# Altium PCB ANTS-MotherBoard-B1.PcbDoc (part 1 of 2)
Units mm, origin at the board's own origin, x right, y up, seen from the top; angles counter-clockwise.
Board outline 200 x 200 mm, 2 copper layers (Top Layer, Bottom Layer); 40 components, 104 nets, 872 pads, 222 vias.
Unrouted connection lines stored in the file: 8.
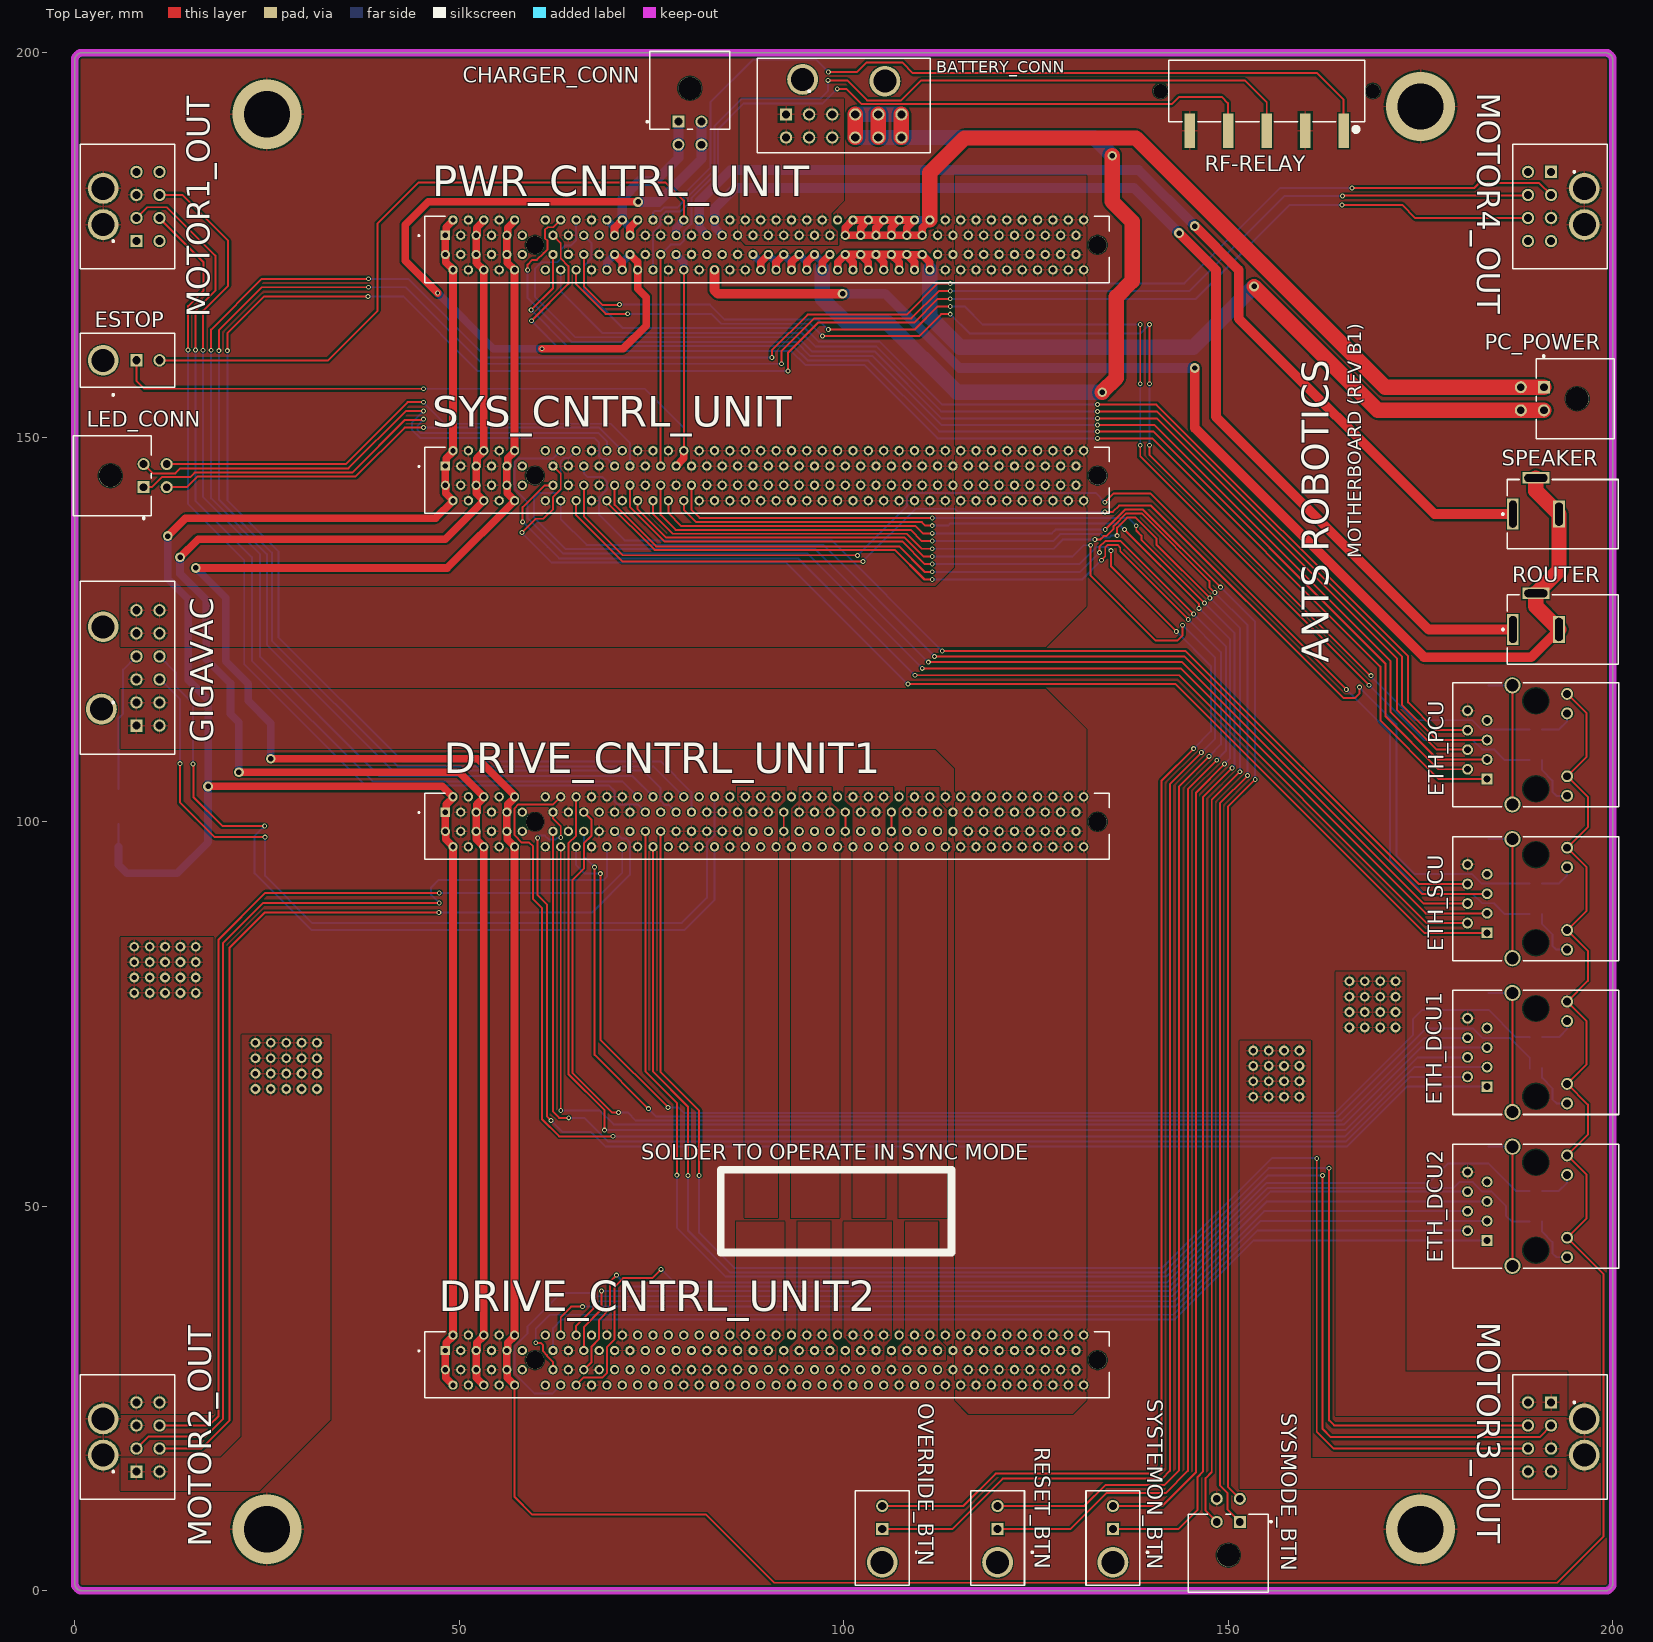
[diagram p0: Top Layer view]
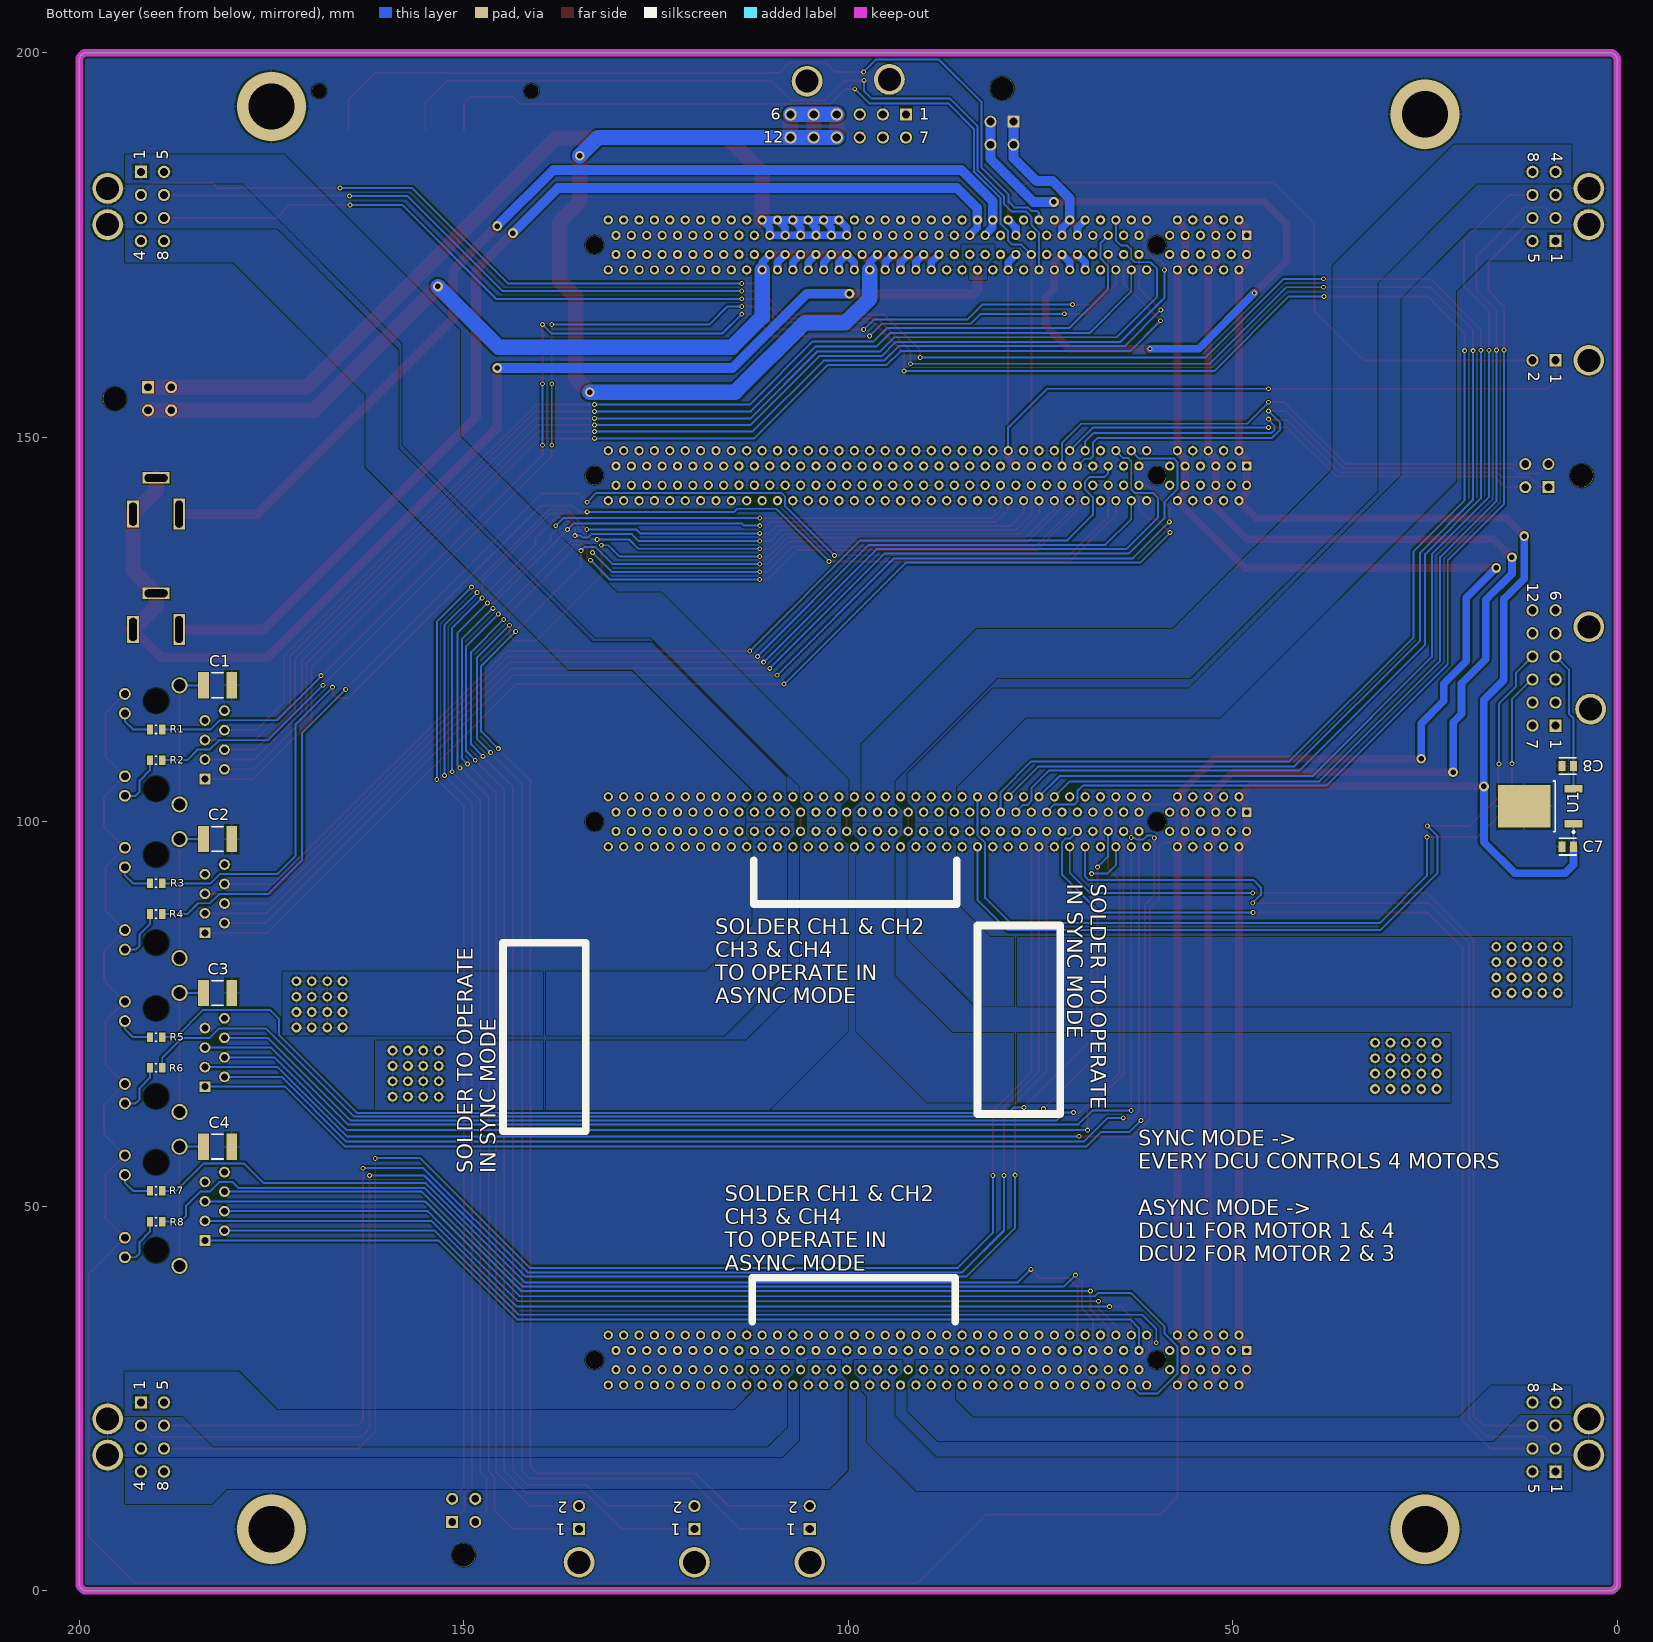
[diagram p1: Bottom Layer view, seen from below]
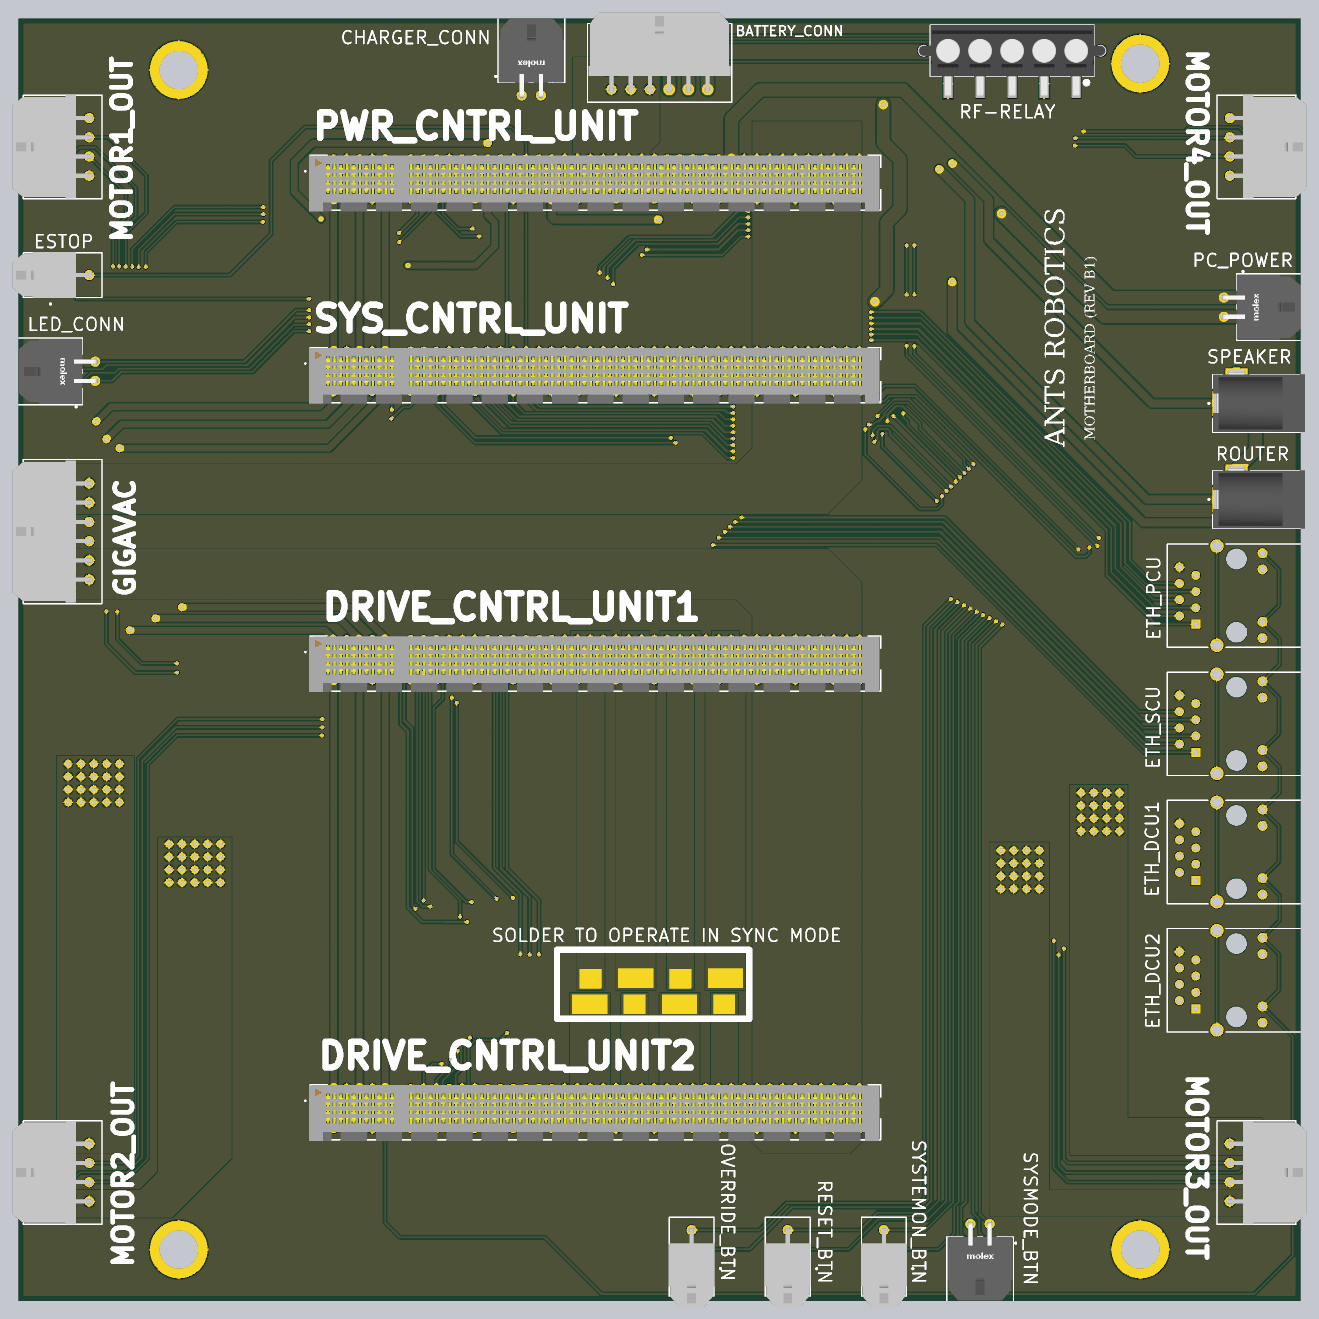
[diagram p3: 3D render of the assembled board from above, using the file's embedded part models]
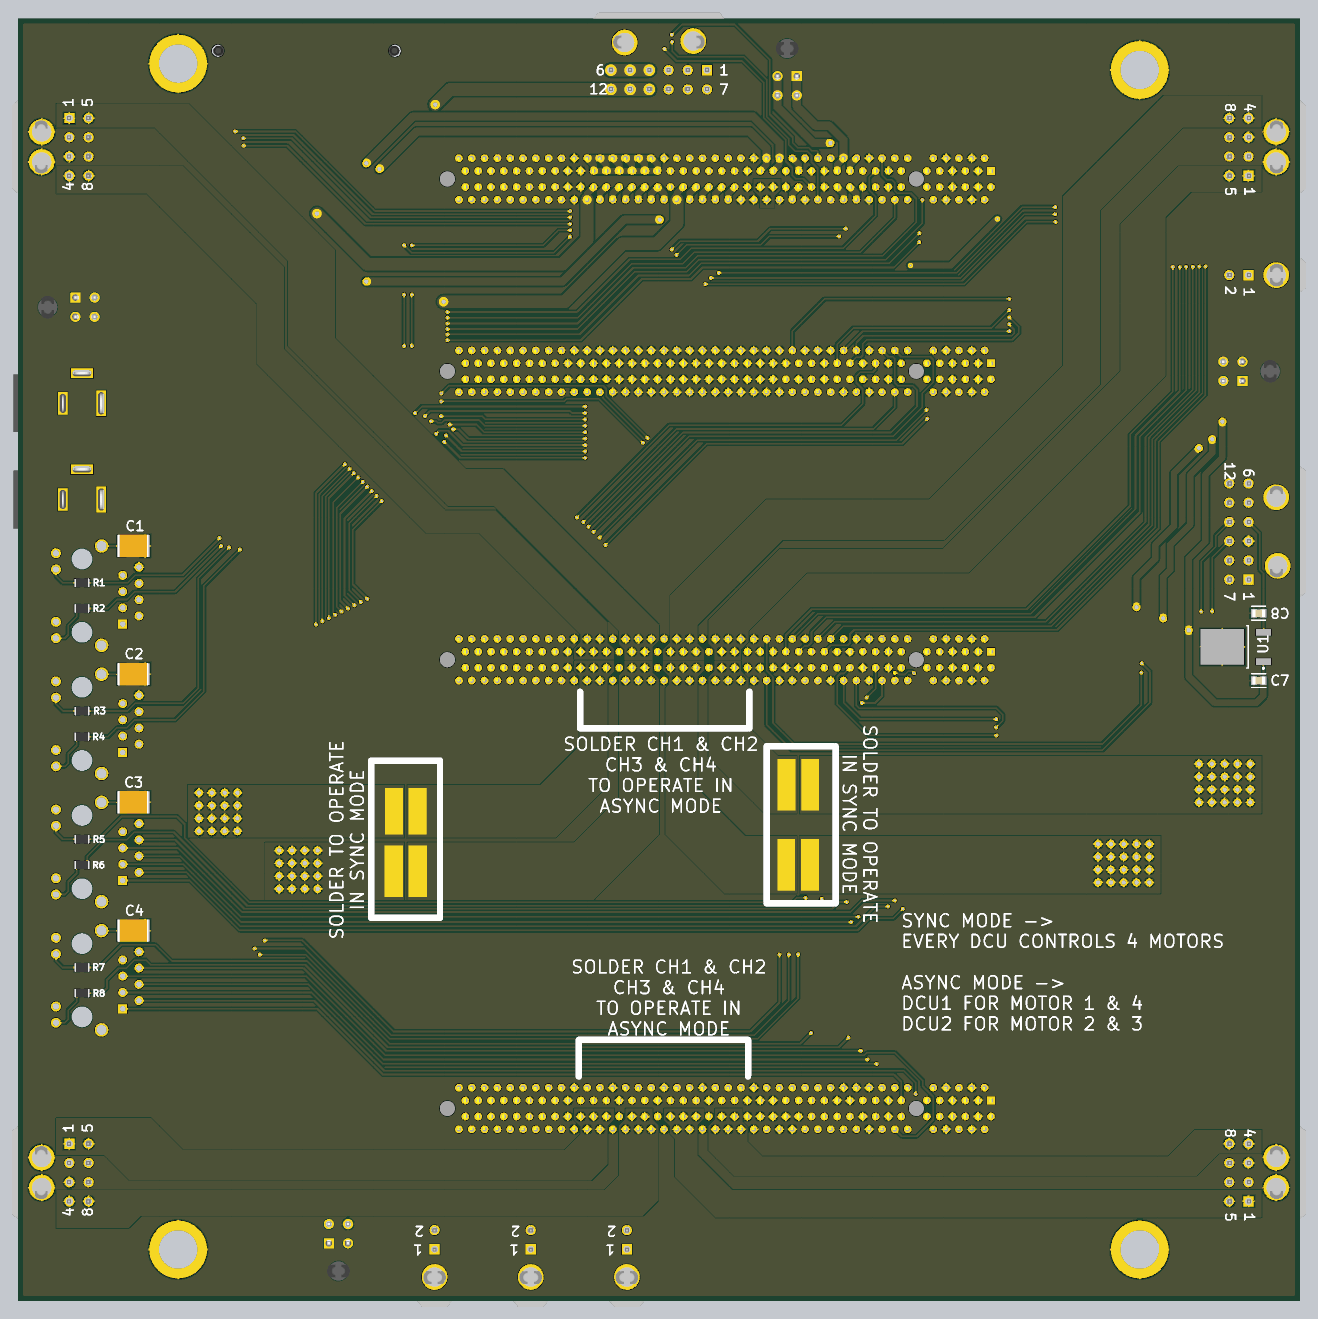
[diagram p4: 3D render of the assembled board from below, using the file's embedded part models]

## Layer stack, top to bottom
Top Solder: solder mask 0.0102, Solder Resist, Dk 3.5
Top Layer: signal copper 0.0356
Dielectric 1: dielectric 0.32, FR-4, Dk 4.8
Bottom Layer: signal copper 0.0356
Bottom Solder: solder mask 0.0102, Solder Resist, Dk 3.5

## Board outline
1,0 cw(c1,1) 0,1 0,199 cw(c1,199) 1,200 199,200 cw(c199,199) 200,199 200,1 cw(c199,1) 199,0

## Design rules (kind name [scope] priority, off if disabled: settings)
Clearance [All] p1: gap=0.127 ignorepadtopadclearanceinfootprint=FALSE except(0: SMDPad-Hole THPad-Hole Via-Hole Fill-Hole Poly-Hole Region-Hole Text-Hole; 0.2: Arc-Arc Arc-Track Track-Track; 0.254: Arc-SMDPad Arc-THPad Arc-Via Arc-Fill Arc-Poly Arc-Region Arc-Hole Track-SMDPad Track-THPad Track-Via Track-Fill Track-Poly Track-Region Track-Hole)
HoleSize [All] p1: absolutevalues=TRUE maxlimit=10 minlimit=0.025 maxpercent=80.000 minpercent=20.000
PolygonConnect [All] p1: connectstyle=Relief reliefconductorwidth=0.254 reliefentries=4 polygonreliefangle="90 Angle" airgapwidth=0.254
RoutingVias [All] p1: holewidth=0.711 width=1.27 viastyle="Through Hole" minholewidth=0.063 minwidth=0.063 maxholewidth=10 maxwidth=10
SolderMaskExpansion [All] p1: expansion=0.102 istentingtop=FALSE
Width [All] p1: maxlimit=10 minlimit=0.254 preferedwidth=0.254 minimp=50.000000 maximp=50.000000 favimp=50.000000
29 further rules are at their usual default settings.

## Classes and differential pairs
component class SCU_External_Connectors: LED_CONN OVERRIDE_BTN RESET_BTN SYSMODE_BTN SYSTEMON_BTN
component class Power_External_Connectors: BATTERY_CONN CHARGER_CONN ESTOP PC_POWER RF-RELAY ROUTER SPEAKER
component class PCU_PCIe: PWR_CNTRL_UNIT
component class Motor_External_Connectors: C7 C8 GIGAVAC MOTOR1_OUT MOTOR2_OUT MOTOR3_OUT MOTOR4_OUT U1
component class Motor2_PCIe: DRIVE_CNTRL_UNIT2
component class Motor1_PCIe: DRIVE_CNTRL_UNIT1
component class Ethernet: C1 C2 C3 C4 ETH_DCU1 ETH_DCU2 ETH_PCU ETH_SCU R1 R2 R3 R4 R5 R6 R7 R8

## Components (designator, comment, footprint, x,y, rotation, side; value= is the part's Value field where it differs from the comment)
BATTERY_CONN "43045-1200" MOLX-43045-1200 100,190 r0 top
C1 "1nF / 2kV" CAPC4532X155X60LL30T35 182,117.75 r180 bottom
C2 "1nF / 2kV" CAPC4532X155X60LL30T35 182,97.75 r180 bottom
C3 "1nF / 2kV" CAPC4532X155X60LL30T35 182,77.75 r180 bottom
C4 "1nF / 2kV" CAPC4532X155X60LL30T35 182,57.75 r180 bottom
C7 "330nF 50V 0805" FP-C0805C-DN-MFG 6.45,96.75 r0 bottom value="0.33 μF"
C8 "330nF 50V 0805" FP-C0805C-DN-MFG 6.45,107.25 r0 bottom value="0.33 μF"
CHARGER_CONN "43045-0400" FP-43045-0400-MFG 80,195 r180 top
DRIVE_CNTRL_UNIT1 "PCIeX16 female header" SAMTEC_PCIE-164-02-X-D-TH 90,100 r180 top
DRIVE_CNTRL_UNIT2 "PCIeX16 female header" SAMTEC_PCIE-164-02-X-D-TH 90,30 r180 top
ESTOP "43045-0200" MOLX-43045-0200 10,160 r90 top
ETH_DCU1 "SI-60062-F" BELF-SI-60062-F_V 190,70 r90 top
ETH_DCU2 "SI-60062-F" BELF-SI-60062-F_V 190,50 r90 top
ETH_PCU "SI-60062-F" BELF-SI-60062-F_V 190,110 r90 top
ETH_SCU "SI-60062-F" BELF-SI-60062-F_V 190,90 r90 top
GIGAVAC "43045-1200" MOLX-43045-1200 10,120 r90 top
LED_CONN "43045-0400" FP-43045-0400-MFG 5,145 r270 top
MOTOR1_OUT "43045-0800" MOLX-43045-0800 10,180 r90 top
MOTOR2_OUT "43045-0800" MOLX-43045-0800 10,20 r90 top
MOTOR3_OUT "43045-0800" MOLX-43045-0800 190,20 r270 top
MOTOR4_OUT "43045-0800" MOLX-43045-0800 190,180 r270 top
OVERRIDE_BTN "43045-0200" MOLX-43045-0200 105,10 r180 top
PC_POWER "43045-0400" FP-43045-0400-MFG 195,155 r90 top
PWR_CNTRL_UNIT "PCIeX16 female header" SAMTEC_PCIE-164-02-X-D-TH 90,175 r180 top
R1 "330R 5% 0805" RESC2013X60X35LL10T20 190,112 r180 bottom
R2 "330R 5% 0805" RESC2013X60X35LL10T20 190,108 r180 bottom
R3 "330R 5% 0805" RESC2013X60X35LL10T20 190,92 r180 bottom
R4 "330R 5% 0805" RESC2013X60X35LL10T20 190,88 r180 bottom
R5 "330R 5% 0805" RESC2013X60X35LL10T20 190,72 r180 bottom
R6 "330R 5% 0805" RESC2013X60X35LL10T20 190,68 r180 bottom
R7 "330R 5% 0805" RESC2013X60X35LL10T20 190,52 r180 bottom
R8 "330R 5% 0805" RESC2013X60X35LL10T20 190,48 r180 bottom
RESET_BTN "43045-0200" MOLX-43045-0200 120,10 r180 top
RF-RELAY "691709710305" 691709710305 155,195 r180 top
ROUTER "PJ-002A" CUI-PJ-002A_V 190,125 r0 top
SPEAKER "PJ-002A" CUI-PJ-002A_V 190,140 r0 top
SYS_CNTRL_UNIT "PCIeX16 female header" SAMTEC_PCIE-164-02-X-D-TH 90,145 r180 top
SYSMODE_BTN "43045-0400" FP-43045-0400-MFG 150,5 r0 top
SYSTEMON_BTN "43045-0200" MOLX-43045-0200 135,10 r180 top
U1 "L78M12ABDT-TR" TO-252_M 10,102 r0 bottom

## Footprints (in the part's own frame and the unit in brackets; to place one, negate y for a bottom-side part, rotate by r counter-clockwise, add the part's x,y. Pads: shape width x height; smd on the part's side, far side on the other; paste and mask are expansions set on the pad)
691709710305 [mm] "Horizontal Entry SMT with Pressure Clamp, pitch 5mm, 05p"
  rect 1.4x4.5 smd: 1(-10,5.15) 2(-5,5.15) 3(0,5.15) 4(5,5.15) 5(10,5.15)
  round 1.9 hole 1.9 unplated: M1(-13.8,0) M2(13.8,0)
  silkscreen extent -12.75,-4 12.75,5.17, body extent -14.5,-4 14.5,7, height 9.95
BELF-SI-60062-F_V [mm] "MagJack, 14-Leads, Body 21.59x16.13mm"
  rect 1.4x1.4 hole 0.89: 1(-4.445,6.35)
  round 1.4 hole 0.89: 2(-3.175,8.89) 3(-1.905,6.35) 4(3.175,6.35) 5(-0.635,8.89) 6(0.635,6.35) 7(1.905,8.89) 8(4.445,8.89)
  round 1.55 hole 1.02: 9(-6.625,-4.06) 10(-4.085,-4.06) 11(4.085,-4.06) 12(6.625,-4.06)
  round 2.95 hole 3.25 unplated: MH1(-5.715,0) MH2(5.715,0)
  round 2.1 hole 1.57: S1(-7.745,3.05) S2(7.745,3.05)
  silkscreen extent -8.07,-10.79 8.07,10.8, body extent -8.06,-10.79 8.06,10.8, height 13.84
CAPC4532X155X60LL30T35 [mm] "Chip Capacitor, 2-Leads, Body 4.8x3.5mm, IPC High Density"
  rect 1.4x3.4 smd: 1(-1.85,0) 2(1.85,0)
  silkscreen extent -0.75,-1.6 0.75,1.6, body extent -2.4,-1.75 2.4,1.75, height 1.55
CUI-PJ-002A_V [mm] "THD, 3-Leads, Body 14.4x9mm, Height 11mm"
  rect 1.5x4 hole 1 slot 3.5 at 90 deg: 1(-3,0)
  rect 1.5x3.5 hole 1 slot 3 at 90 deg: 2(3,0)
  rect 3.5x1.5 hole 1 slot 3 at 0 deg: 3(0,4.7)
  silkscreen extent -4.42,-4.5 10.7,4.5, body extent -3.7,-4.5 10.7,4.9, height 11
FP-43045-0400-MFG [mm]
  rect 1.57x1.57 hole 1.02 paste-1000 mask+0: 1(1.5,3.965)
  round 1.57 hole 1.02 paste-1000 mask+0: 2(-1.5,3.965) 3(1.5,6.965) 4(-1.5,6.965)
  round 3 hole 3 unplated paste-1000 mask+0: ""(0,-0.355)
  silkscreen extent -5.2,-5.21 5.67,4.95, body extent -5.3,-5.31 5.3,7.85, height 0.25
FP-C0805C-DN-MFG [mm]
  rect 0.95x1.35 smd paste+0 mask+0: 1(-0.75,0) 2(0.75,0)
  silkscreen extent -1.1,-1.07 1.1,1.07, body extent -1,-0.63 1,0.63, height 0.88
MOLX-43045-0200 [mm] "PCB Header, 8-Leads, Vertical, Pitch 3 mm, Mated Height 17.27 mm, Through Hole"
  rect 1.6x1.6 hole 1.07: 1(0,1.97)
  round 1.6 hole 1.07: 2(0,-1.03)
  round 4 hole 3: MH1(0,6.29)
  silkscreen extent -4.62,-3.02 3.5,9.25, body extent -3.57,-1.28 3.58,10.96, height 8.76
MOLX-43045-0800 [mm] "PCB Header, 8-Leads, Vertical, Pitch 3 mm, Mated Height 17.27 mm, Through Hole"
  rect 1.6x1.6 hole 1.07: 1(-4.5,1.97)
  round 1.6 hole 1.07: 2(-1.5,1.97) 3(1.5,1.97) 4(4.5,1.97) 5(-4.5,-1.03) 6(-1.5,-1.03) 7(1.5,-1.03) 8(4.5,-1.03)
  round 4 hole 3: MH1(-2.35,6.29) MH2(2.35,6.29)
  silkscreen extent -8.08,-3.02 8.08,9.25, body extent -8.07,-1.29 8.08,10.95, height 8.76
MOLX-43045-1200 [mm] "PCB Header, 8-Leads, Vertical, Pitch 3 mm, Mated Height 17.27 mm, Through Hole"
  rect 1.6x1.6 hole 1.07: 1(-7.5,1.97)
  round 1.6 hole 1.07: 2(-4.5,1.97) 3(-1.5,1.97) 4(1.5,1.97) 5(4.5,1.97) 6(7.5,1.97) 7(-7.5,-1.03) 8(-4.5,-1.03) 9(-1.5,-1.03) 10(1.5,-1.03) 11(4.5,-1.03) 12(7.5,-1.03)
  round 4 hole 3: MH1(-5.35,6.52) MH2(5.35,6.29)
  silkscreen extent -11.25,-3.02 11.25,9.25, body extent -11.08,-1.29 11.07,10.95, height 8.76
RESC2013X60X35LL10T20 [mm] "Chip Resistor, 2-Leads, Body 2.1x1.35mm, IPC High Density"
  rect 0.8x1.25 smd: 1(-0.8,0) 2(0.8,0)
  silkscreen extent -0.1,-0.53 0.1,0.53, body extent -1.05,-0.67 1.05,0.68, height 0.6
SAMTEC_PCIE-164-02-X-D-TH [mm]
  rect 1.208x1.208 hole 0.7: A1(41.8,-1.25)
  round 1.208 hole 0.7: A2(40.8,-3.25) A3(39.8,-1.25) A4(38.8,-3.25) A5(37.8,-1.25) A6(36.8,-3.25) A7(35.8,-1.25) A8(34.8,-3.25) A9(33.8,-1.25) A10(32.8,-3.25) A11(31.8,-1.25) A12(28.8,-3.25) A13(27.8,-1.25) A14(26.8,-3.25) A15(25.8,-1.25) A16(24.8,-3.25) A17(23.8,-1.25) A18(22.8,-3.25) A19(21.8,-1.25) A20(20.8,-3.25) A21(19.8,-1.25) A22(18.8,-3.25) A23(17.8,-1.25) A24(16.8,-3.25) A25(15.8,-1.25) A26(14.8,-3.25) A27(13.8,-1.25) A28(12.8,-3.25) A29(11.8,-1.25) A30(10.8,-3.25) A31(9.8,-1.25) A32(8.8,-3.25) A33(7.8,-1.25) A34(6.8,-3.25) A35(5.8,-1.25) A36(4.8,-3.25) A37(3.8,-1.25) A38(2.8,-3.25) A39(1.8,-1.25) A40(0.8,-3.25) A41(-0.2,-1.25) A42(-1.2,-3.25) A43(-2.2,-1.25) A44(-3.2,-3.25) A45(-4.2,-1.25) A46(-5.2,-3.25) A47(-6.2,-1.25) A48(-7.2,-3.25) A49(-8.2,-1.25) A50(-9.2,-3.25) A51(-10.2,-1.25) A52(-11.2,-3.25) A53(-12.2,-1.25) A54(-13.2,-3.25) A55(-14.2,-1.25) A56(-15.2,-3.25) A57(-16.2,-1.25) A58(-17.2,-3.25) A59(-18.2,-1.25) A60(-19.2,-3.25) A61(-20.2,-1.25) A62(-21.2,-3.25) A63(-22.2,-1.25) A64(-23.2,-3.25) A65(-24.2,-1.25) A66(-25.2,-3.25) A67(-26.2,-1.25) A68(-27.2,-3.25) A69(-28.2,-1.25) A70(-29.2,-3.25) A71(-30.2,-1.25) A72(-31.2,-3.25) A73(-32.2,-1.25) A74(-33.2,-3.25) A75(-34.2,-1.25) A76(-35.2,-3.25) A77(-36.2,-1.25) A78(-37.2,-3.25) A79(-38.2,-1.25) A80(-39.2,-3.25) A81(-40.2,-1.25) A82(-41.2,-3.25) B1(41.8,1.25) B2(40.8,3.25) B3(39.8,1.25) B4(38.8,3.25) B5(37.8,1.25) B6(36.8,3.25) B7(35.8,1.25) B8(34.8,3.25) B9(33.8,1.25) B10(32.8,3.25) B11(31.8,1.25) B12(28.8,3.25) B13(27.8,1.25) B14(26.8,3.25) B15(25.8,1.25) B16(24.8,3.25) B17(23.8,1.25) B18(22.8,3.25) B19(21.8,1.25) B20(20.8,3.25) B21(19.8,1.25) B22(18.8,3.25) B23(17.8,1.25) B24(16.8,3.25) B25(15.8,1.25) B26(14.8,3.25) B27(13.8,1.25) B28(12.8,3.25) B29(11.8,1.25) B30(10.8,3.25) B31(9.8,1.25) B32(8.8,3.25) B33(7.8,1.25) B34(6.8,3.25) B35(5.8,1.25) B36(4.8,3.25) B37(3.8,1.25) B38(2.8,3.25) B39(1.8,1.25) B40(0.8,3.25) B41(-0.2,1.25) B42(-1.2,3.25) B43(-2.2,1.25) B44(-3.2,3.25) B45(-4.2,1.25) B46(-5.2,3.25) B47(-6.2,1.25) B48(-7.2,3.25) B49(-8.2,1.25) B50(-9.2,3.25) B51(-10.2,1.25) B52(-11.2,3.25) B53(-12.2,1.25) B54(-13.2,3.25) B55(-14.2,1.25) B56(-15.2,3.25) B57(-16.2,1.25) B58(-17.2,3.25) B59(-18.2,1.25) B60(-19.2,3.25) B61(-20.2,1.25) B62(-21.2,3.25) B63(-22.2,1.25) B64(-23.2,3.25) B65(-24.2,1.25) B66(-25.2,3.25) B67(-26.2,1.25) B68(-27.2,3.25) B69(-28.2,1.25) B70(-29.2,3.25) B71(-30.2,1.25) B72(-31.2,3.25) B73(-32.2,1.25) B74(-33.2,3.25) B75(-34.2,1.25) B76(-35.2,3.25) B77(-36.2,1.25) B78(-37.2,3.25) B79(-38.2,1.25) B80(-39.2,3.25) B81(-40.2,1.25) B82(-41.2,3.25)
  round 2.35 hole 2.35 unplated: ""(-43,0) ""(30.15,0)
  silkscreen extent -44.5,-3.71 45.35,4.9, body extent -44.3,-3.65 44.7,5.05, height 11.01
TO-252_M [mm] "D-PAK, 4-Leads, Body 6.1x6.5mm, Pitch 2.28mm, Lead Span 9.7mm, IPC Low Density"
  rect 2.4x1 smd: 1(-4.3,2.28) 3(-4.3,-2.28)
  rect 6.8x5.55 smd: 4(2.1,0)
  silkscreen extent -4.42,-3.3 -1.7,3.45, body extent -1.95,-3.3 4.25,3.3, height 2.4

## Part data